# KiCad board AmigaPCI Mainboard.kicad_pcb (continued)
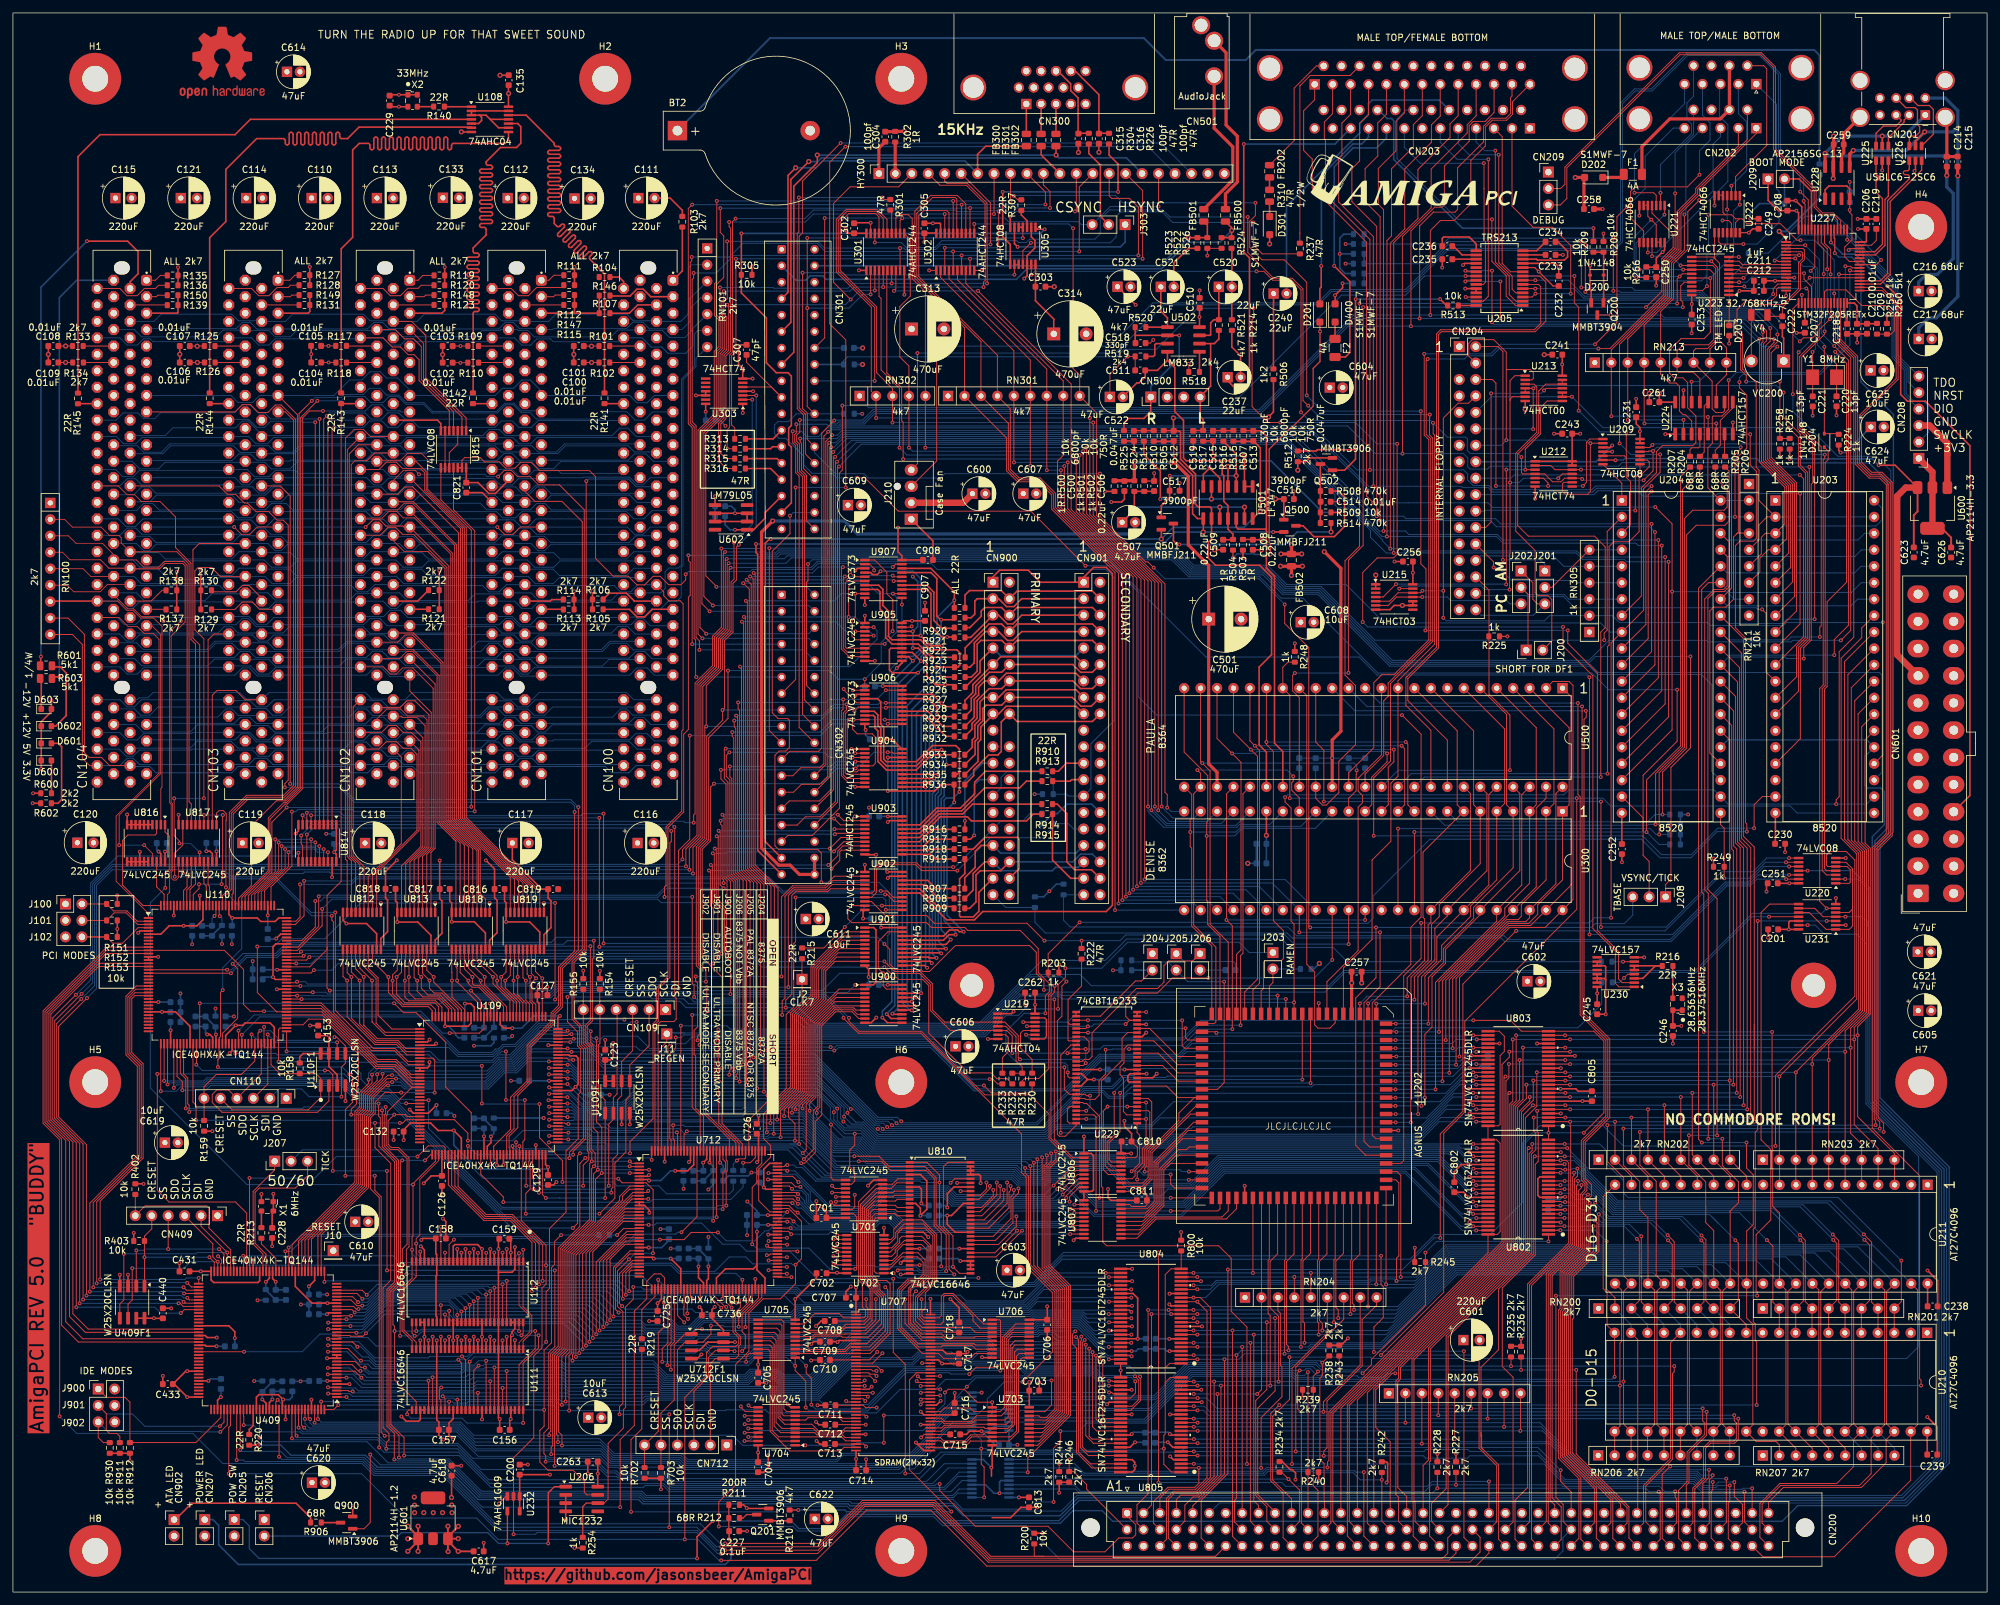
[diagram p0: board, top side]
## Routing (per net, layer and track width the routed paths; a pad name or vN(x,y) marks a point on that pad's centre or on a via; arc(x,y) is an arc through that point) (continued)
AD20: length 152.2
  Top w0.15: U819.9 76.79,110.38 67.9,119.27 67.9,160.36 CN102.A29
  Bottom w0.13: 101.89,166.98 98.68,166.98 97.41,165.72 95.85,165.72 94.71,166.86 81.72,166.86 ; 40.85,166.9 38,166.9 36.99,165.89 34.72,165.89 33.75,166.86 20.76,166.86 ; 81.48,166.89 78.63,166.89 77.62,165.88 75.61,165.88 74.66,166.83 61.43,166.83 ; 61.11,166.84 57.59,166.84 56.64,165.89 55.47,165.89 54.5,166.86 41.08,166.86
AD21: length 159.3
  Top w0.13: 68.2,161.38 68.2,161.62 61.7,168.12 60.41,168.12 59.38,167.09 56.28,167.09
  Top w0.15: U819.8 77.44,110.08 68.2,119.32 68.2,161.38
  Bottom w0.13: 56.33,167.14 59.85,167.14 60.84,168.13 72.15,168.13 73.15,167.13 76.37,167.13 ; 35.77,167.09 22.58,167.09 21.57,168.1 20.17,168.1 19.06,166.99 CN104.B29 ; 96.73,167.09 83.14,167.09 82.13,168.1 80.87,168.1 79.89,167.12 76.63,167.12 ; 56.08,167.09 43.21,167.09 42.2,168.1 39.94,168.1 38.97,167.13 36,167.13
AD22: length 157.5
  Top w0.15: U819.7 78.09,109.79 68.5,119.38 68.5,161.69 61.83,168.36 58.82,168.36
  Bottom w0.13: 58.71,168.26 55.21,168.26 54.1,169.38 42.47,169.38 41.45,168.36 38.49,168.36 ; 58.82,168.36 61.78,168.36 62.8,169.38 74.43,169.38 75.55,168.25 79.04,168.25 ; 99.35,168.25 96.36,168.25 95.24,169.38 83.11,169.38 82.15,168.42 79.2,168.42 ; 18.18,168.36 21.14,168.36 22.16,169.38 33.79,169.38 34.9,168.26 CN103.A28
AD23: length 162.7
  Top w0.13: 60.53,170.65 59.41,169.53 CN102.B27 ; 68.8,119.92 68.8,119.42 78.74,109.48 U819.6
  Top w0.15: 68.8,119.92 68.8,163.58 61.73,170.65 60.53,170.65
  Bottom w0.13: 35.72,169.68 22.06,169.68 21.09,170.65 19.86,170.65 18.65,169.44 15.64,169.44 ; 76.34,169.68 62.7,169.68 61.73,170.65 60.77,170.65 59.55,169.43 56.27,169.43 ; 56.03,169.68 42.38,169.68 41.41,170.65 40.25,170.65 38.99,169.39 36,169.39 ; 96.75,169.61 83.09,169.61 82.05,170.65 81.12,170.65 81.11,170.64 80.88,170.64 79.62,169.38 76.63,169.38
AD24: length 159.1
  Top w0.15: CN102.A25 69.1,164.24 69.1,119.46 79.39,109.17 U819.5
  Bottom w0.13: 40.8,171.93 37.41,171.93 36.44,170.96 35.4,170.96 34.29,172.07 CN104.A25 ; 81.43,171.92 78.04,171.92 77.07,170.95 75.24,170.95 74.23,171.96 70.06,171.96 69.95,172.06 61.26,172.06 ; 81.57,172.06 87.98,172.06 88.07,172.16 95.18,172.16 96.37,170.97 97.28,170.97 98.38,172.06 101.89,172.06 ; 61.19,172 57.99,172 56.95,170.96 55.72,170.96 54.61,172.07 CN103.A25
AD25: length 171.2
  Top w0.13: 69.4,163.47 69.4,164.28 63.56,170.11 63.56,172.83
  Top w0.15: 63.56,172.83 62.92,173.48 60.17,173.48 59.18,174.47 57.64,174.47 56.51,173.34 CN102.B24 ; U819.4 80.04,108.87 69.4,119.51 69.4,163.47
  Bottom w0.13: 53.63,173.34 53.04,172.75 44.01,172.75 43.55,173.21 40.52,173.21 39.54,172.23 37.28,172.23 36.16,173.34 33.31,173.34 ; CN102.B24 57.15,173.34 58.26,172.23 59.86,172.23 60.9,173.27 67.09,173.27 67.37,173.55 73.76,173.55 ; 33.16,173.18 19.5,173.18 18.55,172.23 16.97,172.23 15.85,173.34 CN104.B24 ; 73.95,173.33 77.09,173.33 78.2,172.22 79.49,172.22 80.5,173.24 84.15,173.24 84.64,172.74 93.67,172.74 94.27,173.33
AD26: length 162.2
  Top w0.13: 69.7,163.86 69.7,164.3 63.81,170.2 63.81,173.02
  Top w0.15: 63.81,173.02 62.21,174.61 CN102.A23 ; U819.3 80.69,108.57 69.7,119.56 69.7,163.86
  Bottom w0.13: 61.13,174.75 57.86,174.75 56.86,175.75 55.43,175.75 54.46,174.78 42.9,174.78 42.76,174.64 40.97,174.64 ; 20.72,174.71 33.82,174.71 34.83,175.72 36.72,175.72 37.66,174.78 40.78,174.78 ; 81.52,174.68 78.2,174.68 77.06,175.82 75.82,175.82 74.75,174.75 61.4,174.75 ; 101.89,174.6 98.88,174.6 97.74,175.75 95.95,175.75 94.98,174.78 81.75,174.78
AD27: length 169.6
  Top w0.13: 70,163.89 70,164.33 64.04,170.29 64.04,172.7 64.05,172.71 64.05,174.86 63.1,175.81 60.9,175.81 59.86,174.77 56.34,174.77
  Top w0.15: U819.2 81.34,108.28 70,119.62 70,163.89
  Bottom w0.13: 76.64,174.45 80.19,174.45 81.13,173.51 83.5,173.51 84.54,174.55 95.44,174.55 95.51,174.61 CN100.B23 ; 76.34,174.45 67.85,174.45 66.9,173.5 60.82,173.5 59.8,174.52 56.28,174.52 ; 35.7,174.45 23.49,174.45 22.48,173.44 19.57,173.44 18.39,174.61 CN104.B23 ; 56.12,174.55 43.9,174.55 42.79,173.44 39.89,173.44 38.87,174.46 36.01,174.46
AD28: length 160.9
  Top w0.13: 54.57,174.7 52.81,174.7 52.23,174.12 52.23,173.44
  Top w0.15: U812.6 53.56,112.33 52.23,113.66 52.23,173.44 ; CN102.A22 55.84,175.88 54.66,174.7 54.57,174.7
  Bottom w0.13: 58.62,175.98 55.39,175.98 54.37,177 44.66,177 43.44,175.78 38.51,175.78 ; 38.31,175.98 35.08,175.98 34.06,177 24.35,177 23.13,175.78 18.19,175.78 ; 99.2,176.05 98.08,176.05 98.08,176.05 95.95,176.05 95,176.99 85.29,176.99 84.12,175.82 79.11,175.82 ; 78.88,176.05 75.38,176.05 74.43,177 73.5,177 73.49,176.99 64.98,176.99 63.76,175.77 58.84,175.77
AD29: length 159.9
  Top w0.15: 56.18,177.16 53.34,177.16 51.93,175.75 51.93,113.6 52.91,112.63 U812.7
  Bottom w0.13: 76.35,177.29 74.56,177.29 74.55,177.3 73.38,177.3 73.37,177.29 64.85,177.29 63.56,176 60.83,176 59.82,177.01 56.32,177.01 ; 76.63,177.01 80.13,177.01 81.09,176.05 83.92,176.05 85.16,177.29 96.66,177.29 ; 15.68,177.02 19.19,177.02 20.19,176.01 22.93,176.01 24.22,177.3 35.72,177.3 ; 56.03,177.3 44.53,177.3 43.24,176.01 40.5,176.01 39.5,177.02 35.99,177.02
AD30: length 166.6
  Top w0.13: 51.33,177.62 51.33,178.18 52.69,179.54 54.09,179.54 55.21,178.42 CN102.A20
  Top w0.15: 51.33,177.62 51.33,113.19 51.6,112.91 U812.9
  Bottom w0.13: 18.23,178.57 23.48,178.57 24.68,179.77 34.37,179.77 35.4,180.81 36.33,180.81 38.4,178.74 ; 58.87,178.57 72.55,178.57 73.51,179.53 75.09,179.53 76.04,178.58 78.89,178.58 ; 58.63,178.52 55.11,178.52 54.1,179.53 52.87,179.53 51.91,178.57 38.55,178.57 ; 79.18,178.57 92.5,178.57 93.66,179.73 94.94,179.73 96.25,178.41 99.35,178.41
AD31: length 158.2
  Top w0.15: CN102.B20 51.63,176.41 51.63,113.55 52.26,112.92 ; U812.8 52.25,112.92
  Bottom w0.13: 53.78,178.29 57.3,178.29 58.27,177.32 59.85,177.32 60.8,178.27 73.81,178.27 ; 74.13,178.26 77.2,178.26 78.15,177.31 79.92,177.31 80.89,178.27 94.1,178.27 ; 53.48,178.27 40.24,178.27 39.29,177.32 37.52,177.32 36.41,178.42 33.31,178.42 ; CN104.B20 15.97,178.42 17.08,177.32 18.98,177.32 19.93,178.27 33.17,178.27
ADLATCH: length 67.3
  Top w0.13: U109.39 65.73,66.62 62.82,63.71 62.82,55.16 62.26,54.6 v1(62.26,53.8) ; U112.2 78.13,44.28 79.81,42.61 79.81,40.19 78.13,38.52 U111.2
  Top w0.15: v1(78.14,52.33) 78.13,52.32 U112.2 ; U111.27 62.26,38.58 60.38,40.46 60.38,46.8 62.26,48.69 U112.27 v1(62.26,53.8)
  Bottom w0.15: v1(62.26,53.8) 62.26,52.33 63.1,51.49 77.3,51.49 v1(78.14,52.33)
AGNUS_REV: length 60.7
  Top w0.15: U902.11 v1(134.77,105.34) ; U712.114 113.62,72.88 116.27,75.54 117.16,75.54 119.39,77.76 119.39,89.18 120.55,90.34 120.55,100.13 120.84,100.42 v1(120.84,107.25)
  Bottom w0.15: v1(134.77,105.34) 134.77,106.81 134.33,107.25 v1(120.84,107.25)
AgnusCLK: length 67
  Top w0.15: U202.34 185.65,86.51 v1(185.81,86.35)
  Bottom w0.15: v1(185.81,86.35) 212.7,86.35 213.48,87.13 241.63,87.13 245.29,90.79 R217.1
ALATCH: length 83.5
  Top w0.15: v1(80.63,40.31) 80.63,37.61 78.13,35.12 U111.55 ; v1(62.27,40.3) 62.26,40.31 U112.30 ; v1(60.1,66.66) 59.82,66.38 59.82,47.52 58.67,46.37 58.67,41.29 58.92,41.04 v1(58.92,40.3) 58.92,32.76 62.26,29.42 U111.30 ; U109.37 64.49,67.53 v1(63.62,66.66) ; v1(78.14,40.3) 78.13,40.31 U112.55
  Bottom w0.15: v1(58.92,40.3) v1(62.27,40.3) 62.78,40.3 63.06,40.58 77.86,40.58 v1(78.14,40.3) 78.15,40.31 v1(80.63,40.31) ; v1(60.1,66.66) v1(63.62,66.66)
AREV: length 70.4
  Top w0.15: U229.45 163.12,79.4 162.87,79.66 v1(162.87,80.24) ; U902.9 129.57,105.99 128.9,105.32 128.9,103.97 129.5,103.37 141.07,103.37 141.81,102.63 146.96,102.63 147.42,102.17 155.51,102.17 158.3,99.38 158.3,95.67 160.02,93.95 160.02,92.69 159.4,92.08 v1(159.4,89.37)
  Bottom w0.15: v1(159.4,89.37) 156.12,89.37 153.31,86.55 153.31,83.45 155.03,81.72 162.42,81.72 162.87,81.27 v1(162.87,80.24)
AUDIN: length 11.6
  Top w0.25: C240.1 194.64,199.13 194.62,199.11 R506.1
AUDIO: length 202.5
  Top w0.15: C517.2 180.13,171.24 ; C510.2 v1(183.22,201.01) ; v1(184.42,206.37) 184.41,206.38 R523.1 R526.1 ; C511.1 R519.2 v1(172.13,190.8) 169.37,188.04 C522.1 ; C519.1 182.24,176.58 v1(182.25,176.57) ; 185.55,160.94 v2(185.54,160.94) ; 197.77,169.97 v1(197.77,169.98) ; v1(204.64,168.37) 204.64,168.37 C514.2 ; v1(176.07,193.35) 175.58,192.86 C518.1 ; R518.2 v1(181.55,189.66)
  Top w0.2: v1(176.2,172.77) C506.2 174.72,171.56
  Top w0.25: C509.1 185.55,160.94 ; C516.2 197.77,169.97 ; C508.2 v2(192.77,160.94)
  Top w0.5: v2(202.47,160.65) 205.03,158.09 205.03,132.91 203.69,131.57 v1(203.69,128.77) U500.34 ; FB502.1 v2(198.98,160.3) ; FB502.1 v2(195.78,160.3) ; FB502.1 v2(197.4,161.71) ; v2(117.29,165.39) 115.58,163.68 115.58,114.89 118.23,112.25 119.99,112.25 121.43,110.81 CN302.36 CN302.34
  Bottom w0.15: C202.2 v1(203.69,128.77) 203.69,128.77 C205.2
  Bottom w0.5: v2(117.29,165.39) 128.39,165.39 130.4,163.38 172.58,163.38 173.25,164.06 C507.2
  vias: v1(180.14,171.25)
AUDOUT: length 11
  Top w0.25: 188.21,201.47 188.21,207.39 ; C520.2 188.19,196.48
BUSDIR: length 309.7
  Top w0.15: 177.91,31.89 177.91,34.61 ; 177.91,31.89 177.91,32.36 178.69,33.14 U805.24 ; 177.91,31.89 177.91,24.41 177.69,24.19 v1(177.69,22.13) 177.69,19.72 178.88,18.53 U805.1 ; 177.91,34.61 177.91,49.02 178.8,49.91 U804.24 ; 177.91,34.61 178.61,35.31 U804.1 ; v1(51.97,79.95) 52.44,79.48 52.44,75.62 51.33,74.51 v1(51.33,64.28) ; 31.81,84.65 31.81,82.36 31.64,82.19 v1(31.64,81.07) ; v1(57.4,24.13) 56.85,24.68 56.85,61.04 55.87,62.02 v1(55.87,64.28) ; v1(32.88,108.82) 32.88,119.11 32.94,119.17 32.94,120.2 32.46,120.67 31.83,120.67 31.43,120.27 U817.1 ; v1(149.95,14.62) 149.95,19.3 149.51,19.74 v1(149.51,22.13) ; v1(32.39,92.95) 32.04,92.6 32.04,85.76 31.84,85.56 U110.55 ; R800.1 180.37,49.92
  Bottom w0.15: v1(149.95,14.62) 149.94,14.62 148.06,14.62 ; v1(149.51,22.13) 142.25,22.13 139.14,19.02 137.73,19.02 137.04,18.33 103.36,18.33 102.4,19.29 95,19.29 94.73,19.56 92.03,19.56 90.64,20.96 85.98,20.96 85.75,20.73 82.81,20.73 82.59,20.96 71.85,20.96 68.67,24.13 57.41,24.13 v1(57.4,24.13) ; v1(149.51,22.13) 150.2,22.13 150.43,21.91 177.02,21.91 177.25,22.13 v1(177.69,22.13) ; v1(149.51,22.13) 149.51,23.5 U808.1 ; v1(32.39,92.95) 32.39,96.4 35.32,99.33 35.32,105.58 32.88,108.02 v1(32.88,108.82) ; v1(51.33,64.28) v1(55.87,64.28) ; v1(51.97,79.95) 50.85,81.07 39.48,81.07 39.25,80.84 31.87,80.84 v1(31.64,81.07)
C1: length 244.9
  Top w0.15: v1(165.63,81.68) 165.26,81.31 U229.42 ; v1(45.37,120.33) 45.38,120.32 U814.8 ; v1(155.49,82.25) 155.47,82.25 155.21,82.5 155.21,85.93 153.14,88.01 U219.3 143.86,88.01 142,89.87 142,93.9 140.07,95.82 136.1,95.82 v1(134.55,97.37) ; v1(188.27,86.92) 188.27,102.88 v1(187.37,103.78) 187.37,106.96 187.38,106.96 187.38,123.26 U500.28 ; v1(91.19,100.16) v1(91.19,120.2) ; U229.38 165.63,83.85 v1(165.63,83.85) ; U300.36 v1(208.77,103.78)
  Bottom w0.15: v1(208.77,103.78) v1(187.37,103.78) ; v1(91.19,100.16) 111.25,100.16 111.48,99.94 112.59,99.94 115.15,97.37 v1(134.55,97.37) ; v1(45.37,120.33) 45.51,120.47 50.47,120.47 51.06,119.88 87.67,119.88 87.99,120.2 v1(91.19,120.2) ; v1(155.49,82.25) 165.06,82.25 v1(165.63,81.68) v1(165.63,83.85) 167.85,83.85 168.37,84.38 180.55,84.38 183.09,86.92 v1(188.27,86.92)
C3: length 222.2
  Top w0.15: U229.35 165.39,85.75 166.15,84.98 166.15,83.51 165.85,83.21 U229.39 162.82,83.21 v1(162.82,83.21) ; v1(189.54,87.53) 189.54,98.27 189.92,98.65 189.92,123.26 U500.29 ; v1(46.03,119.95) 46.03,119.94 U814.7 ; v1(154.29,83.21) 154.29,85.87 153.45,86.71 U219.5 144.74,86.71 141.7,89.75 141.7,93.77 139.95,95.52 135.53,95.52 v1(134.55,96.5) ; v1(90.54,99.64) v1(90.54,119.54)
  Bottom w0.15: v1(189.54,87.53) 183.04,87.53 180.76,85.25 164.86,85.25 v1(162.82,83.21) v1(154.29,83.21) ; v1(134.55,96.5) 115.6,96.5 112.46,99.64 v1(90.54,99.64) ; v1(90.54,119.54) 50.75,119.54 50.34,119.95 v1(46.03,119.95)
CBANK0: length 36.5
  Top w0.15: v1(131.51,32.68) 131.18,32.35 U707.22 ; U712.52 106.12,45.28 v1(106.12,45.28)
  In2.Cu w0.15: v1(131.51,32.68) 130.82,33.37 130.82,37.69 125.34,43.18 113.12,43.18 112.67,42.72 110.11,42.72 109.51,43.32 108.07,43.32 v1(106.12,45.28)
CBANK1: length 38.3
  Top w0.15: v1(104.96,45.25) 104.62,45.59 U712.49 ; U707.23 v1(131.51,31.85)
  In2.Cu w0.15: v1(131.51,31.85) 130.52,32.83 130.52,37.56 125.21,42.88 113.35,42.88 112.9,42.43 109.99,42.43 109.4,43.01 107.96,43.01 106.22,44.75 105.46,44.75 v1(104.96,45.25)
CCLKE: length 38.1
  Top w0.15: U712.84 v1(116.68,54.2) ; U707.67 v1(143.14,33.35)
  In2.Cu w0.15: v1(116.68,54.2) 116.71,54.16 121.14,54.16 139.59,35.72 139.59,35.4 141.63,33.35 v1(143.14,33.35)
CLK6: length 6
  Top w0.15: R213.1 38.36,53.75 40.59,51.52 U409.52
CLK7: length 84.6
  Top w0.15: v1(159.26,100.58) 156.57,103.27 142.27,103.27 141.07,104.47 134.71,104.47 132.54,106.64 U902.8 ; v1(206.23,100.05) U300.35 ; v1(165.01,100.58) 164.99,100.56 R222.1
  Bottom w0.15: v1(159.26,100.58) v1(165.01,100.58) 170.92,100.58 171.8,101.47 196.39,101.47 197.81,100.05 206.23,100.05 v1(206.23,100.05)
CLK28: length 280.3
  Top w0.15: v1(85.61,91.89) 85.61,88.07 87.16,86.52 87.16,84.34 87.66,83.84 87.66,77.22 87.28,76.83 87.28,70.01 85.4,68.13 85.4,58.68 82.84,56.12 82.84,46.89 82.32,46.37 v1(82.32,38.63) ; U409.94 v1(35.69,37.11)
  Bottom w0.15: v1(85.61,91.89) 98.37,91.89 98.65,91.61 103.53,91.61 104.31,90.83 113.52,90.83 113.55,90.86 120.74,90.86 123.76,87.83 149.18,87.83 158.88,97.53 168.65,97.53 171.96,100.84 195.91,100.84 197.21,99.54 203.84,99.54 206.04,97.34 R253.1 ; v1(82.32,38.63) 81.67,37.98 56.1,37.98 54.78,39.3 50.32,39.3 49.79,39.83 47.38,39.83 44.66,37.11 v1(35.69,37.11)
CLK40A: length 185.3
  Top w0.15: U712.20 v1(98.16,56.7) ; CN200.a28 240.59,15.45 238.96,17.08 v1(238.96,18.81) ; v1(137.78,18.31) 137.78,18.31 137.78,35.15 135.92,37 v1(135.92,48.38)
  Bottom w0.15: v1(98.16,56.7) 99.09,56.7 99.36,56.97 106.32,56.97 109.57,53.71 112.19,53.71 113.26,52.65 119.91,52.65 124.18,48.38 v1(135.92,48.38) ; v1(137.78,18.31) 139.96,18.31 143.26,21.61 180.26,21.61 180.97,22.32 235.45,22.32 v1(238.96,18.81)
CLK40B: length 47.7
  Top w0.15: U109.52 72.23,64.51 75.71,61.03 v1(75.71,60.21)
  Bottom w0.15: R251.2 112.74,62.55 110.82,60.63 98.76,60.63 98.31,60.18 92.78,60.18 92.75,60.2 75.72,60.2 v1(75.71,60.21)
CLK40C: length 98.9
  Top w0.15: U206.7 88.6,15 88.22,15.39 88.22,17.07 86.49,18.8 82.62,18.8 81.35,20.07 81.35,24.96 82.01,25.62 v1(82.01,28.13) 82.01,37.34 83.14,38.47 83.14,50.09 83.63,50.58 83.63,54.13 v1(84.63,55.13) ; v1(40.87,29.67) 40.59,29.39 U409.129
  Bottom w0.15: 81.38,28.13 80.52,28.13 ; 81.38,28.13 81.57,28.13 80.52,28.13 ; 81.38,28.13 v1(82.01,28.13) ; v1(84.63,55.13) 84.63,55.13 R218.2 ; 80.52,28.13 42.42,28.13 v1(40.87,29.67)
CLK40D: length 101.3
  Top w0.15: v1(72.4,75.45) v1(72.4,81.26) ; v1(84.84,63.33) 84.84,63.33 84.84,66.62 81.3,70.16 v1(81.3,75.36) ; U110.52 v1(30.34,83.16)
  Bottom w0.15: v1(72.4,75.45) 72.49,75.36 v1(81.3,75.36) ; v1(72.4,81.26) 60.71,81.26 60.16,81.81 53.44,81.81 52.78,82.47 31.03,82.47 v1(30.34,83.16) ; v1(84.84,63.33) 92.65,63.33 93.26,62.72 99.71,62.72 100.93,61.5 110.62,61.5 111.21,62.09 R252.2
CLKCIA: length 412.2
  Top w0.25: v1(37.8,22.69) 37.79,22.68 R220.2
  Bottom w0.2: v1(37.8,22.69) 41.35,22.69 42.91,21.13 54.42,21.13 56.27,19.27 66.83,19.27 71.81,14.29 96.59,14.29 97.25,13.62 128.96,13.62 129.26,13.32 145.17,13.32 146.71,11.78 161.67,11.78 164.44,14.55 291.75,14.55 297.77,20.57 297.77,65.11 287.08,75.8 287.08,116.63 288.94,118.49 288.94,123.62 288.4,124.16 286.36,124.16 285.96,124.55 285.96,129.05 U203.25 286.24,131.58 264.77,131.58 U204.25
CLKPCI0: length 2.9
  Top w0.25: 91.35,183.5 CN100.B16
CLKPCI1: length 2.9
  Top w0.25: 71.03,183.5 CN101.B16
CLKPCI2: length 128.8
  Top w0.15: 48.5,99.61 48.5,99.22 45.82,96.54 42.3,96.54 ; 48.5,99.61 48.5,93.28 v1(48.92,92.86) ; 48.5,99.61 48.5,107.57 50.67,109.74 R143.1 ; v1(70.71,92.86) 72.15,91.43 72.15,89.99 72.23,89.91 U109.129
  Top w0.25: 50.68,183.5 CN102.B16
  Bottom w0.15: v1(48.92,92.86) v1(70.71,92.86)
CLKPCI3: length 2.9
  Top w0.25: 30.39,183.5 CN103.B16
CLKPCI4: length 3
  Top w0.25: 10.05,183.5 CN104.B16
CMA0: length 38.6
  Top w0.15: v1(132.76,30.77) 130.24,30.77 U707.25 ; v1(109.37,43.9) 107.62,45.64 U712.55
  In2.Cu w0.15: v1(132.76,30.77) 132.05,31.48 132.05,33 131.12,33.93 131.12,37.81 125.46,43.47 112.95,43.47 112.5,43.02 110.24,43.02 v1(109.37,43.9)
CMA1: length 42.5
  Top w0.15: v1(104.12,43.02) 104.12,43.03 U712.48 ; v1(132,30.17) 131.82,30.35 U707.26
  In2.Cu w0.15: v1(104.12,43.02) 104.63,42.52 109.47,42.52 109.86,42.12 113.07,42.12 113.52,42.57 125.09,42.57 130.23,37.44 130.23,31.94 v1(132,30.17)
CMA2: length 43.1
  Top w0.15: U707.27 131.26,29.85 v1(131.6,29.51) ; v1(104.22,42.18) 103.57,42.82 103.57,43.97 103.62,44.02 U712.47
  In2.Cu w0.15: v1(131.6,29.51) 129.93,31.19 129.93,37.31 124.96,42.27 113.7,42.27 113.25,41.82 109.74,41.82 109.35,42.22 104.27,42.22 v1(104.22,42.18)
CMA3: length 34.4
  Top w0.15: 118.03,50.2 v1(119.5,50.2) ; U707.60 140.3,29.85 v1(140.18,29.72)
  In2.Cu w0.15: 139.04,30.06 139.38,29.72 v1(140.18,29.72) ; 139.04,30.06 137,32.1 137,35.33 122.36,49.97 119.72,49.97 v1(119.5,50.2) ; 139.04,30.06 139.25,29.85
CMA4: length 39.9
  Top w0.15: v1(143.18,30.35) U707.61 ; U712.78 v1(116.68,51.2)
  In2.Cu w0.15: v1(116.68,51.2) 116.7,51.18 121.58,51.18 137.3,35.46 137.3,32.43 139.48,30.25 143.07,30.25 v1(143.18,30.35)
CMA5: length 34.1
  Top w0.15: U707.62 140.25,30.85 v1(140.18,30.77) ; U712.79 v1(119.5,51.7)
  In2.Cu w0.15: v1(119.5,51.7) 120.45,51.7 120.55,51.6 121.58,51.6 137.6,35.58 137.6,32.62 139.45,30.77 v1(140.18,30.77)
CMA6: length 40.5
  Top w0.15: v1(143.18,31.3) 143.12,31.35 U707.63 ; U712.80 116.95,52.2 116.77,52.02 v1(116.4,52.02)
  In2.Cu w0.15: v1(116.4,52.02) 118.55,52.02 118.83,52.3 120.45,52.3 120.85,51.9 121.7,51.9 137.9,35.7 137.9,32.93 139.53,31.3 v1(143.18,31.3)
CMA7: length 33.9
  Top w0.15: 118.03,52.68 121.03,52.68 v1(121.12,52.59) ; U707.64 140.18,31.85 v1(140.15,31.82)
  In2.Cu w0.15: v1(121.12,52.59) 121.44,52.59 138.2,35.83 138.2,33.05 139.43,31.82 v1(140.15,31.82)
CMA8: length 37.1
  Top w0.15: U712.82 116.71,53.2 v1(116.42,53.49) ; U707.65 139.77,32.35 v1(139.54,32.58)
  In2.Cu w0.15: v1(116.42,53.49) 116.8,53.11 121.34,53.11 138.5,35.95 138.5,33.62 v1(139.54,32.58)
CMA9: length 33.4
  Top w0.15: v1(119.53,53.64) 119.46,53.7 U712.83 ; U707.66 140.18,32.85 v1(139.71,33.31)
  In2.Cu w0.15: v1(139.71,33.31) 138.8,34.22 138.8,36.08 121.24,53.64 v1(119.53,53.64)
CMA10: length 38.1
  Top w0.15: 130.19,31.32 131.19,31.32 ; 131.19,31.32 132.19,31.32 v1(132.57,31.71) ; 131.19,31.32 132.13,31.32 132.14,31.33 ; U712.56 108.12,45.89 109.99,44.01 v1(110.14,44.01)
  In2.Cu w0.15: v1(110.14,44.01) 110.82,43.32 112.38,43.32 112.83,43.77 125.59,43.77 131.43,37.94 131.43,34.05 132.57,32.9 v1(132.57,31.71)
D0: length 53.5
  Top w0.15: U802.2 238.45,55.86 238.47,55.88 v1(238.92,55.88) ; RN200.2 247.35,45.47 246.06,46.76 v1(246.06,54.14) ; U210.19 250.87,39 250.87,12.3
  Bottom w0.15: U210.19 249.83,41.31 RN200.2 ; v1(238.92,55.88) 244.32,55.88 v1(246.06,54.14)
D1: length 85
  Top w0.15: v1(250.74,54.54) 251.12,54.16 251.12,45.01 RN200.3 ; v1(239.54,56.5) 239.54,56.5 U802.3 ; CN200.c31 247.02,8.3 247.02,14.39 240.16,21.25 240.16,42.75 240.38,42.97 240.38,49 244.04,52.66 v1(244.04,56.49)
  Bottom w0.15: v1(250.74,54.54) 248.79,56.49 v1(244.04,56.49) 239.55,56.49 v1(239.54,56.5) ; RN200.3 252.37,41.31 U210.18
D2: length 82.1
  Top w0.15: RN200.4 251.42,44.81 251.42,54.94 v1(251.42,54.94) ; CN200.a31 248.21,13.63 240.46,21.38 240.46,42.63 240.68,42.85 240.68,48.87 244.56,52.76 244.56,57.05 v1(244.22,57.4) ; v1(239.55,57.77) 239.55,57.77 U802.5
  Bottom w0.15: v1(251.42,54.94) 249.57,56.79 244.82,56.79 v1(244.22,57.4) 243.85,57.77 v1(239.55,57.77) ; RN200.4 254.91,41.31 U210.17
D3: length 69.8
  Top w0.15: RN200.5 256.19,45.01 256.19,53.65 v1(255.54,54.31) ; v1(238.92,58.4) 238.92,58.4 U802.6 ; U210.16 255.94,38.51 255.94,21.53 255.95,21.52 255.95,20.65 251.75,16.45 251.75,10.65 CN200.b32
  Bottom w0.15: v1(238.92,58.4) 243.96,58.4 ; 243.96,58.4 244.23,58.12 ; 243.96,58.4 244.23,58.12 ; v1(255.54,54.31) 252.76,57.09 245.27,57.09 244.23,58.12 ; U210.16 257.45,41.31 RN200.5
D4: length 91.5
  Top w0.15: U802.8 238.61,59.67 238.61,59.67 v1(238.93,59.67) ; v1(244.86,58.33) 244.87,58.32 244.87,52.64 240.98,48.75 240.98,42.34 240.76,42.12 240.76,21.5 249.21,13.05 249.21,10.65 CN200.b31 ; RN200.6 256.5,44.81 256.5,54.1 v1(255.48,55.11)
  Bottom w0.15: v1(238.93,59.67) 241.43,59.67 242.07,59.03 244.09,59.03 244.78,58.33 v1(244.86,58.33) 245.8,57.39 253.2,57.39 v1(255.48,55.11) ; RN200.6 259.99,41.31 U210.15
D5: length 99.1
  Top w0.15: CN200.c30 244.48,8.3 244.48,16.08 239.56,21 239.56,43.19 239.78,43.41 239.78,49.25 243.21,52.68 243.21,59.84 v1(243.45,60.08) ; U802.9 239.04,60.31 239.13,60.22 v1(239.64,60.22) ; RN200.7 261.08,44.82 261.08,53.91 v1(260.69,54.31)
  Bottom w0.15: v1(260.69,54.31) 257.31,57.69 246.32,57.69 244.51,59.49 244.04,59.49 v1(243.45,60.08) 240.54,60.08 240.41,60.22 v1(239.64,60.22) ; RN200.7 262.53,41.31 U210.14
D6: length 98.7
  Top w0.15: v1(238.93,61.59) 237.1,61.59 ; v1(244.3,60.13) 243.51,59.34 243.51,52.55 240.08,49.12 240.08,43.1 239.86,42.88 239.86,21.13 246.72,14.27 246.72,10.7 CN200.b30 ; RN200.8 261.38,45 261.38,54.38 v1(260.71,55.06)
  Bottom w0.15: RN200.8 265.07,41.31 U210.13 ; v1(238.93,61.59) 240.36,61.59 241.34,60.61 243.82,60.61 v1(244.3,60.13) 246.44,57.99 257.78,57.99 v1(260.71,55.06)
D7: length 107.3
  Top w0.15: U210.12 267.61,41.31 RN200.9 266.4,45.06 266.4,53.86 v1(265.94,54.32) ; U802.12 239,62.21 239,62.21 v1(239.57,62.21) ; CN200.c29 242.08,8.16 242.08,17.63 238.96,20.75 238.96,43.44 239.18,43.66 239.18,49.5 242.61,52.93 242.61,60.8 v1(243.18,61.37)
  Bottom w0.15: v1(265.94,54.32) 263.25,57.01 ; 263.25,57.01 261.97,58.29 246.95,58.29 243.87,61.37 v1(243.18,61.37) 241.31,61.37 240.47,62.21 v1(239.57,62.21) ; 263.25,57.01 262.28,57.98
D8: length 105.3
  Top w0.15: U802.13 238.32,62.85 238.32,62.85 v1(238.94,62.85) ; 272.72,40.06 RN201.2 271.74,44.76 271.74,53.41 v1(270.81,54.34) ; CN200.a27 238.05,13.43 237.35,14.13 237.35,48.94 241.71,53.3 241.71,61.98 242.18,62.45 v1(242.18,62.85)
  Bottom w0.15: v1(270.81,54.34) 266.56,58.59 247.08,58.59 242.82,62.85 v1(242.18,62.85) v1(238.94,62.85)
D9: length 115.4
  Top w0.15: CN200.b27 237.05,10.65 237.05,49.06 241.41,53.42 241.41,62.73 241.64,62.96 v1(241.64,63.48) ; v1(275.97,54.34) 276.43,53.88 276.43,44.95 RN201.3 275.26,40.06 ; v1(239.59,63.48) 237.09,63.48
  Bottom w0.15: 272.88,57.44 271.73,58.58 ; 272.88,57.44 271.42,58.89 247.2,58.89 242.61,63.48 v1(241.64,63.48) v1(239.59,63.48) ; 272.88,57.44 v1(275.97,54.34)
D10: length 119.5
  Top w0.15: U210.8 277.77,43.75 ; v1(238.95,64.75) 238.3,64.75 238.3,64.75 U802.16 ; CN200.c26 234.46,8.16 234.46,47.32 240.81,53.67 240.81,64.08 241.04,64.31 v1(241.04,64.75) ; v1(275.89,55.16) 276.73,54.32 276.73,44.85 RN201.4
  Bottom w0.15: v1(238.95,64.75) 239,64.69 240.98,64.69 v1(241.04,64.75) 241.76,64.75 247.32,59.19 271.86,59.19 v1(275.89,55.16)
D11: length 122
  Top w0.15: v1(239.67,65.22) 239.22,65.22 239.05,65.39 U802.17 ; 280.34,40.06 RN201.5 281.6,45.03 281.6,53.84 v1(281.06,54.38) ; CN200.b26 236.75,10.89 236.75,49.19 241.11,53.55 241.11,63.78 241.56,64.23 241.56,65.38 v1(241.55,65.39)
  Bottom w0.15: v1(239.67,65.22) 240.6,65.22 240.77,65.39 v1(241.55,65.39) 241.55,65.39 247.45,59.49 275.95,59.49 v1(281.06,54.38)
D12: length 129.2
  Top w0.15: v1(280.98,55.21) 281.89,54.29 281.89,44.76 RN201.6 282.88,40.06 ; U802.19 238.95,66.66 v1(238.95,66.66) 239.82,66.66 240.21,66.27 240.21,53.92 233.86,47.57 233.86,16.13 231.92,14.19 231.92,8.16 CN200.c25
  Bottom w0.15: v1(238.95,66.66) 241.02,66.66 242.31,65.38 242.31,65.06 247.57,59.79 276.39,59.79 v1(280.98,55.21)
D13: length 142.5
  Top w0.15: 226.67,24.65 226.67,34.7 229.38,37.42 229.38,46.8 234.74,52.16 234.74,67.05 v1(234.98,67.29) ; 226.67,24.65 226.67,22.36 227.04,21.99 ; 226.67,24.65 226.67,24.08 226.76,23.99 ; 227.04,21.99 226.76,22.26 226.76,23.99 ; 227.04,21.99 229.38,19.64 229.38,8.16 CN200.c24 ; 226.76,23.99 226.76,24.37 ; v1(285.87,54.39) 286.68,53.58 286.68,45.03 RN201.7 ; U210.5 285.39,43.75 ; v1(239.6,67.28) 237.1,67.28
  Bottom w0.15: v1(234.98,67.29) 239.59,67.29 v1(239.6,67.28) 240.83,67.28 242.62,65.48 242.62,65.16 247.7,60.09 280.17,60.09 v1(285.87,54.39)
D14: length 144.9
  Top w0.15: v1(285.77,55.24) 286.98,54.03 286.98,44.76 RN201.8 287.96,40.06 ; U802.22 239.97,68.56 v1(239.98,68.55) ; CN200.c20 218.73,8.65 218.73,20.13 218.86,20.26 218.86,37.55 233.82,52.51 233.82,68.33 v1(234.05,68.56)
  Bottom w0.15: v1(234.05,68.56) 239.97,68.56 v1(239.98,68.55) ; 239.98,68.55 243.06,65.48 243.06,65.16 247.82,60.39 280.61,60.39 v1(285.77,55.24)
D15: length 147.3
  Top w0.15: v1(291.56,51.18) 291.56,44.84 RN201.9 ; CN200.b20 219.03,10.89 219.03,13.71 221.29,15.96 221.29,39.56 234.12,52.39 234.12,67.73 234.57,68.18 234.57,69.18 v1(234.58,69.19) ; U802.23 239.59,69.2 v1(239.6,69.19) ; U210.3 290.47,43.75
  Bottom w0.15: v1(291.56,51.18) 281.83,60.91 249.38,60.91 248.65,61.64 248.65,63.54 246.13,66.06 246.13,68.07 245.01,69.19 v1(239.6,69.19) v1(234.58,69.19)